# Altium PCB Rus.PcbDoc (part 1 of 2) (continued)
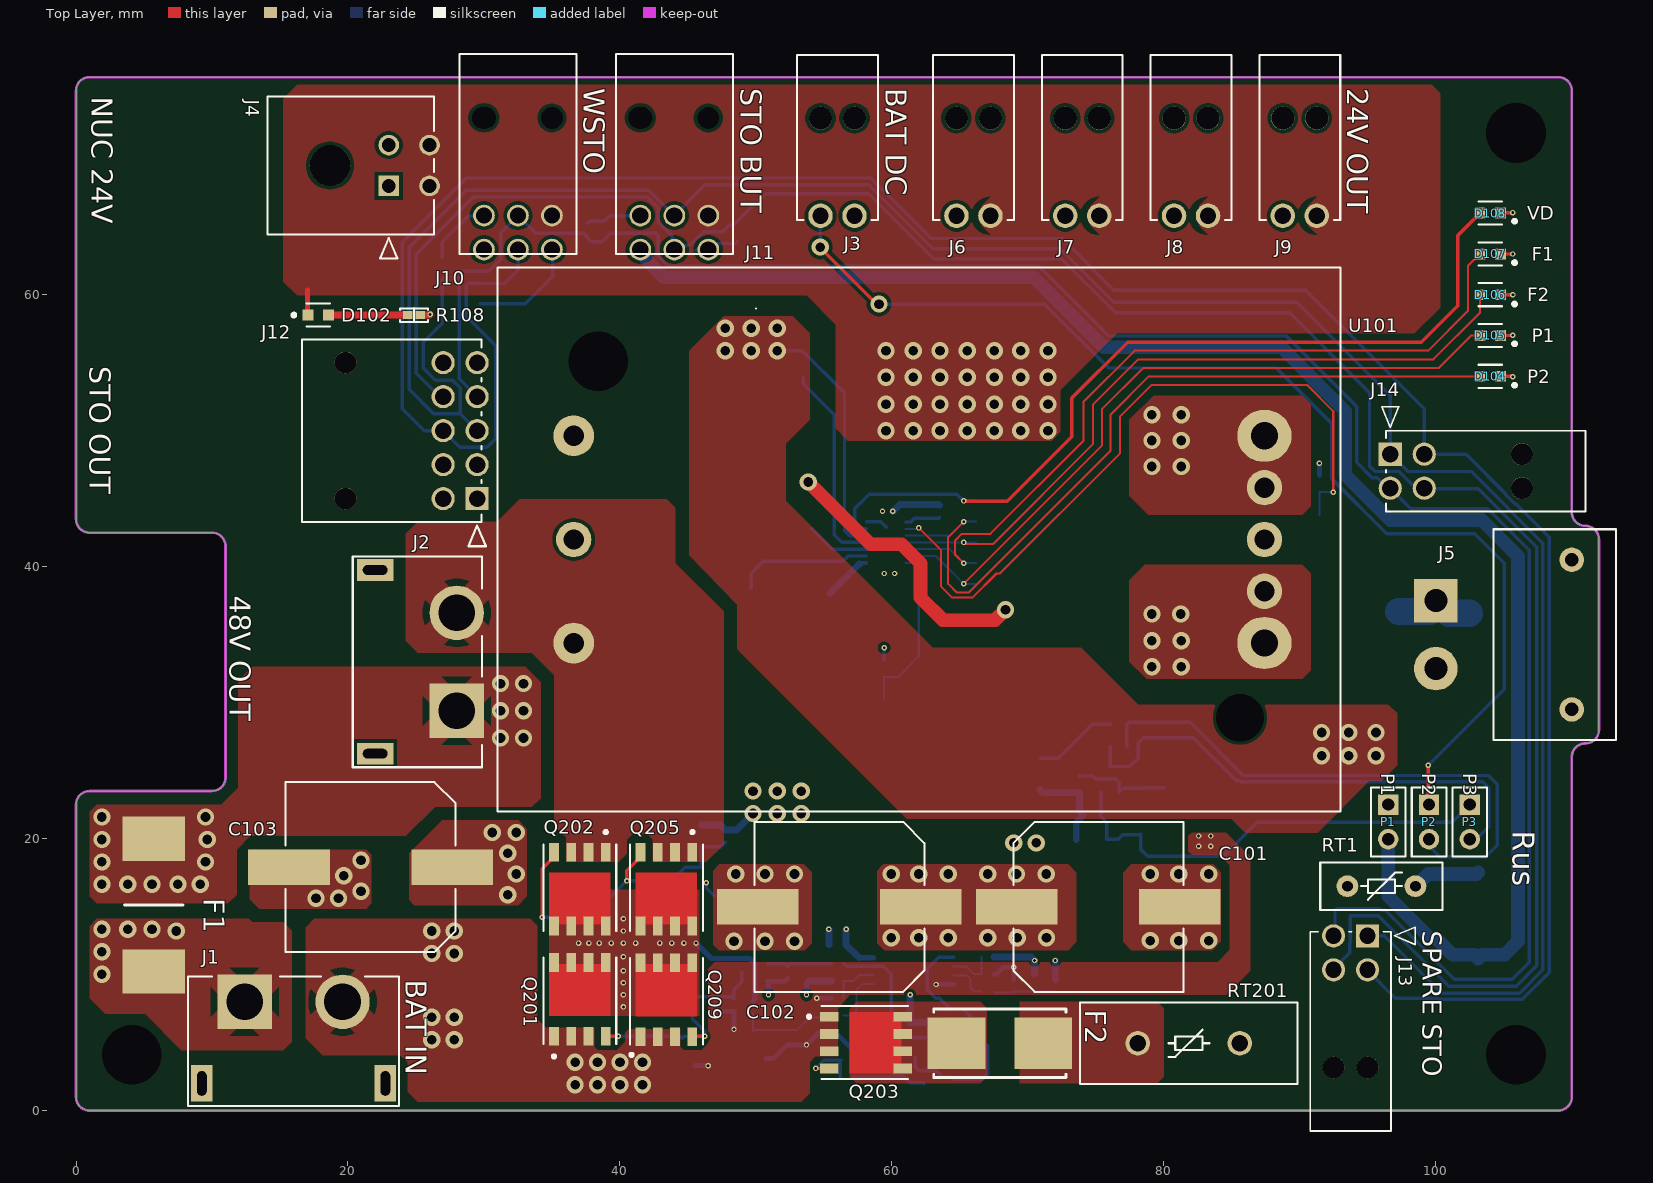
[diagram p0: Top Layer view]
## Components (designator, comment, footprint, x,y, rotation, side; value= is the part's Value field where it differs from the comment)
2 "9774040960R" 9774040960R 38.4,55.1 r90 bottom
C101 "EMVE101ARA101MKE0S" "CAP ALSMD ELEC 12.5MM H13MM" 75.184,14.986 r0 top
C102 "EMVE101ARA101MKE0S" "CAP ALSMD ELEC 12.5MM H13MM" 56.134,14.986 r180 top
C103 "EMVE101ARA101MKE0S" "CAP ALSMD ELEC 12.5MM H13MM" 21.662,17.9 r180 top locked
C201 "1nF" "CAP 0805_2012" 45.974,20.193 r90 bottom
C202 "470nF" "CAP 0603_1608 RF" 70.485,9.398 r90 bottom
C203 "10uF" "CAP 1206_3216" 79.756,20.32 r180 bottom
C204 "100nF" "CAP 0603_1608 RF" 56.007,12.192 r0 bottom
C206 "220nF" "CAP 0603_1608 RF" 65.913,2.921 r90 bottom
C207 "220nF" "CAP 0603_1608 RF" 53.848,10.16 r270 bottom
C208 "100nF" "CAP 0603_1608 RF" 60.071,3.175 r270 bottom
C209 "100nF" "CAP 0603_1608 RF" 46.863,7.747 r90 bottom
C210 "220nF" "CAP 0603_1608 RF" 62.865,5.969 r90 bottom
D101 "SMBT70A-13-F" SMBT70A-13-F 32.893,45.212 r270 bottom
D102 "LTST-C190GKT" FP-LTST-C190GKT-MFG 17.82,58.5 r0 top locked
D104 "LTST-C190GKT" FP-LTST-C190GKT-MFG 104,54 r180 top locked
D105 "LTST-C190GKT" FP-LTST-C190GKT-MFG 104,57 r180 top locked
D106 "LTST-C190GKT" FP-LTST-C190GKT-MFG 104,60 r180 top locked
D107 "LTST-C190GKT" FP-LTST-C190GKT-MFG 104,63 r180 top locked
D108 "LTST-C190GKT" FP-LTST-C190GKT-MFG 104,66 r180 top locked
D201 "BZX8450-C12R" "NEXPERIA SOT-23-3" 45.974,16.891 r90 bottom
D202 "BZX8450-C12R" "NEXPERIA SOT-23-3" 79.883,27.559 r90 bottom
D203 "BZX8450-C12R" "NEXPERIA SOT-23-3" 49.784,4.826 r90 bottom
D204 "BZX8450-C12R" "NEXPERIA SOT-23-3" 56.261,4.699 r270 bottom
D205 "BZX8450-C12R" "NEXPERIA SOT-23-3" 44.577,4.318 r90 bottom
D206 "BZX8450-C33R" "NEXPERIA SOT-23-3" 81.026,23.749 r180 bottom
D207 "1N4148WS-7-F" SOD323 74.676,19.939 r0 bottom
F1 "0456040.DRSDE" FUSC12245X450N 5.715,15.113 r90 top
F2 "0154007.DR" FP-0154-MFG 67.945,4.953 r0 top
F101A "0154007.DR" FP-0154-MFG 53.594,30.099 r90 bottom
F102A "0154007.DR" FP-0154-MFG 93.472,34.29 r270 bottom
J1 "XT60PW-M" XT60PW_M 16,8 r180 top locked
J2 "XT60PW-F" XT60PW_F 28,33 r90 top locked
J3 "105313-1202" "MOLEX 1053131102" 56,72 r0 top locked
J4 "430450401" "MOLEX 430450401" 23,68 r270 top
J5 "XT30PW-M" XT30PW_M 100,35 r270 top locked
J6 "105313-1202" "MOLEX 1053131102" 66,72 r0 top
J7 "105313-1202" "MOLEX 1053131102" 74,72 r0 top
J8 "105313-1202" "MOLEX 1053131102" 82,72 r0 top
J9 "105313-1202" "MOLEX 1053131102" 90,72 r0 top
J10 "105314-1206" "MOLEX 1053141206" 32.5,73 r180 top
J11 "105314-1206" "MOLEX 1053141206" 44,73 r180 top
J12 "1053141310" "MOLEX 1053141110" 29.5,45 r270 top locked
J13 "105314-1204" "MOLEX 1053141204" 93.71,6.5 r0 top locked
J14 "105314-1204" "MOLEX 1053141204" 103,47 r90 top locked
MP1 "M3 x 4mm" 9774040360 4.1,4.1 r180 bottom locked
MP3 "M3 x 4mm" 9774040360 105.9,71.9 r180 bottom locked
MP4 "M3 x 4mm" 9774040360 105.9,4.1 r180 bottom locked
P1 "Header 2" HDR1X2 96.5,22.5 r270 top locked
P2 "Header 2" HDR1X2 99.5,22.5 r270 top
P3 "Header 2" HDR1X2 102.5,22.5 r270 top
Q101 "‎SI4090BDY-T1-GE3‎" SOIC127P600X175-8N 51.562,41.148 r90 bottom
Q102 "‎SI4090BDY-T1-GE3‎" SOIC127P600X175-8N 51.562,51.181 r270 bottom
Q201 "CSD19532Q5B" "TI SON 5x6" 37.054,8.074 r90 top locked
Q202 "CSD19532Q5B" "TI SON 5x6" 37.054,16.383 r270 top locked
Q203 "CSD19532Q5B" "TI SON 5x6" 58,5 r0 top locked
Q204 "ZXTN25100DG" "DIODES SOT-223" 67.691,23.622 r180 bottom
Q205 "CSD19532Q5B" "TI SON 5x6" 43.419,16.383 r270 top locked
Q206 "BSS84W-7-F" "DIODES SOT-323-3" 62.357,2.921 r270 bottom
Q207 "BSS84W-7-F" "DIODES SOT-323-3" 49.911,10.16 r180 bottom
Q208 "BSS84W-7-F" "DIODES SOT-323-3" 65.278,5.588 r0 bottom
Q209 "CSD19532Q5B" "TI SON 5x6" 43.419,8.053 r90 top locked
Q210 "BSS84W-7-F" "DIODES SOT-323-3" 76.073,24.384 r90 bottom
R1 "RC0603JR-070RL" RESC1608X55X25ML10T15 29.718,60.071 r90 bottom
R2 "RC0603JR-070RL" RESC1608X55X25ML10T15 48.641,64.643 r90 bottom
R3 "RC0603JR-070RL" RESC1608X55X25ML10T15 26.924,61.976 r90 bottom
R4 "RC0603JR-070RL" RESC1608X55X25ML10T15 37.973,64.643 r90 bottom
R5 "4R7" "RES 2512_6432" 103.124,14.343 r270 bottom
R102 "33k" "RES 0603_1608 RF" 66.802,43.307 r0 bottom
R104 "33k" "RES 0603_1608 RF" 66.802,38.735 r0 bottom
R105 "33k" "RES 0603_1608 RF" 66.802,41.783 r0 bottom
R106 "33k" "RES 0603_1608 RF" 66.802,40.259 r0 bottom
R107 "33k" "RES 0603_1608 RF" 66.802,44.831 r0 bottom
R108 "10k" "RES 0402_1005 RF" 24.855,58.5 r0 top locked
R109 "ERA6AEB3403V" RESC2013X60X40NL20T25 59.436,29.464 r270 bottom
R110 "ERA6AEB3403V" RESC2013X60X40NL20T25 91.44,43.053 r270 bottom
R111 "ERJ-3EKF1272V" RESC1608X55X30LL15T15 59.436,32.512 r270 bottom
R112 "ERJ-3EKF1272V" RESC1608X55X30LL15T15 91.44,46.101 r270 bottom
R113 "100k" "RES 0402_1005 RF" 63.5,44.069 r270 bottom
R201 "10k" "RES 0402_1005 RF" 47.752,20.193 r90 bottom
R202 "100R" "RES 0402_1005 RF" 41.91,16.891 r180 bottom
R204 "10k" "RES 0603_1608 RF" 73.787,24.003 r90 bottom
R205 "10M" "RES 0402_1005 RF" 72.009,9.144 r90 bottom
R206 "100k" "RES 0402_1005 RF" 67.056,11.303 r0 bottom
R207 "100k" "RES 0402_1005 RF" 49.784,7.62 r90 bottom
R208 "100k" "RES 0402_1005 RF" 56.007,9.525 r180 bottom
R209 "100R" "RES 0402_1005 RF" 67.056,8.763 r0 bottom
R210 "100R" "RES 0402_1005 RF" 56.007,6.985 r180 bottom
R211 "220k" "RES 0402_1005 RF" 68.961,9.144 r270 bottom
R212 "10k" "RES 0402_1005 RF" 67.056,10.033 r180 bottom
R213 "22k" "RES 0603_1608 RF" 52.197,5.334 r90 bottom
R214 "10k" "RES 0402_1005 RF" 56.007,8.255 r0 bottom
R216 "100k" "RES 0402_1005 RF" 64.389,2.921 r270 bottom
R217 "100k" "RES 0402_1005 RF" 52.324,10.16 r90 bottom
R218 "47k" "RES 0603_1608 RF" 76.708,26.797 r180 bottom
R219 "1k" "RES 0402_1005 RF" 64.77,7.493 r180 bottom
R220 "100R" "RES 0402_1005 RF" 56.007,10.795 r0 bottom
R221 "10R" "RES 0402_1005 RF" 56.642,2.413 r0 bottom
R222 "10R" "RES 0402_1005 RF" 45.339,7.747 r90 bottom
R223 "10k" "RES 0402_1005 RF" 58.547,2.921 r90 bottom
R224 "10k" "RES 0402_1005 RF" 48.387,7.747 r270 bottom
R225 "1k" "RES 0603_1608 RF" 76.708,28.448 r0 bottom
R226 "100k" "RES 0402_1005 RF" 61.341,5.969 r270 bottom
R227 "10k" "RES 0402_1005 RF" 59.944,5.969 r90 bottom
R228 "47k" "RES 0603_1608 RF" 74.676,21.717 r180 bottom
RT1 "B59975C0120A070" "RES THERM TH 9.0x12.5 DISC LEADED" 96,16.5 r180 top locked
RT201 "B57238S0250M000" "RES THERM TH 16.0 DISC LEADED" 78.089,4.953 r0 top locked value=25R
RV101 "SMDJ28A" "DO214AB SMC" 80.137,41.91 r90 bottom
U101 "PRQ200W-Q48-S24-D" "DIP BRICK QUARTER" 62,42 r180 top locked
U102 "LTC4355IDE#PBF" DFN-14_DE_LIT 59.563,41.783 r0 bottom
U201 "LM393PT" "ST TSSOP-8" 61.595,10.287 r180 bottom

## Footprints (in the part's own frame and the unit in brackets; to place one, negate y for a bottom-side part, rotate by r counter-clockwise, add the part's x,y. Pads: shape width x height; smd on the part's side, far side on the other; paste and mask are expansions set on the pad)
9774040360 [mm] "M3 Thread Internal, Length 4mm"
  round 7.4 / inner round 0 / far side round 0 hole 4.4 unplated: 1(0,0)
  body extent -3,-3 3,2.99, height 4
9774040960R [mm]
  round 7.4 / inner round 7.4 / far side round 0 hole 4.4 unplated: 1(0,0)
  body extent -3,-3 2.99,3, height 4.01
"CAP 0603_1608 RF" [mm] "Chip Capacitor, 2-Leads, Body 1.60x0.80mm, IPC High Density"
  rect 0.8x0.9 smd: 1(-0.625,0) 2(0.625,0)
  silkscreen extent -1.2,-0.63 1.2,0.63, body extent -0.8,-0.41 0.8,0.41, height 0.82
"CAP 0805_2012" [mm] "Chip Capacitor, 2-Leads, Body 2.00x1.20mm, IPC Medium Density"
  rect 1.3x1.4 smd: 1(-0.8,0) 2(0.8,0)
  silkscreen extent -1.7,-0.9 1.7,0.9, body extent -1,-0.64 1,0.64, height 1.26
"CAP 1206_3216" [mm] "Chip Capacitor, 2-Leads, Body 3.25x1.60mm, IPC Medium Density"
  rect 1.3x1.8 smd: 1(-1.45,0) 2(1.45,0)
  silkscreen extent -2.37,-1.12 2.37,1.12, body extent -1.6,-0.81 1.6,0.81, height 1.62
"CAP ALSMD ELEC 12.5MM H13MM" [mm] "Aluminum SMD Electrolytic Capacitor, 12.50mm Land Size, 12.50mm Diameter, 13.00mm Height, 14.90mm Maximum Leads Span"
  rect 6x2.6 smd: 1(-6,0) 2(6,0)
  silkscreen extent -6.25,-6.25 6.25,6.25, body extent -7.45,-6.25 7.45,6.25, height 13
DFN-14_DE_LIT [mm]
  rect 0.805x0.249 smd paste+0 mask+0: 1(-1.452,1.5) 2(-1.452,1) 3(-1.452,0.5) 4(-1.452,0) 5(-1.452,-0.5) 6(-1.452,-1) 7(-1.452,-1.5) 8(1.452,-1.5) 9(1.452,-1) 10(1.452,-0.5) 11(1.452,0) 12(1.452,0.5) 13(1.452,1) 14(1.452,1.5)
  rect 1.8x3.4 smd paste+0 mask+0: 15(0,0)
  silkscreen extent -2.28,-2.18 1.68,2.18, body extent -1.55,-2.05 1.55,2.05, height 0.8
"DIODES SOT-223" [mm] "SOT223, 4-Leads, Body 6.50x7.00mm (avg), Pitch 2.30mm, IPC Medium Density"
  rect 1.6x1.2 smd: 1(-3.2,2.3) 2(-3.2,0) 3(-3.2,-2.3)
  rect 1.6x3.3 smd: 4(3.2,0)
  silkscreen extent -3.27,-3.35 1.85,3.72, body extent -3.52,-3.25 3.5,3.25, height 1.8
"DIODES SOT-323-3" [mm] "SOT323, 3-Leads, Body 2.00x2.10mm, Pitch 0.65mm, IPC Medium Density"
  rect 0.9x0.7 smd: 1(-0.95,0.65) 2(0.95,0) 3(-0.95,-0.65)
  silkscreen extent -1.27,-1.1 0.67,1.52, body extent -1.06,-1 1.06,1, height 1
"DIP BRICK QUARTER" [mm] "5.Quarter 1/4 brick power module DOSA"
  round 0 hole 3.5 unplated: 0(-23.6,13.1) 0(23.6,-13.1)
  round 3 hole 1.5: 1(25.4,-7.62) 3(25.4,7.62)
  round 2.6 hole 1.5: 2(25.4,0) 5(-25.4,3.81) 6(-25.4,0) 7(-25.4,-3.81)
  oval 4x3.8 hole 2: 4(-25.4,7.62) 8(-25.4,-7.62)
  silkscreen extent -31,-20 31,20, body extent -30.9,-20.1 30.9,20.1, height 13.1
"DO214AB SMC" [mm] "Molded Diode, 2-Leads, Body 6.85x5.90mm, IPC Medium Density"
  rect 2.45x3.15 smd: 1(-3.1,0) 2(3.1,0)
  silkscreen extent -4.9,-3.3 4.9,3.3, body extent -3.97,-2.95 3.97,2.95, height 2.6
FP-0154-MFG [mil]
  rect 167x150 smd paste+0 mask+0: 1(-125.5,0) 2(125.5,0)
  silkscreen extent -192,-99 192,99, body extent -213,-103 213,103, height 10
FP-LTST-C190GKT-MFG [mm]
  rect 0.8x0.8 smd paste+0 mask+0: 1(-0.75,0) 2(0.75,0)
  silkscreen extent -1.92,-0.85 0.85,0.85, body extent -1.25,-0.55 1.25,0.55, height 0.25
FUSC12245X450N [mm]
  rect 3.25x4.61 smd: 1(-4.88,0) 2(4.88,0)
  silkscreen extent 0,-2.15 0,2.15, body extent -6.1,-2.25 6.1,2.25, height 4.5
HDR1X2 [mm] "Connector; Header; 2 Position"
  rect 1.5x1.5 hole 0.9: 1(0,0)
  round 1.5 hole 0.9: 2(2.54,0)
  silkscreen extent -1.27,-1.27 3.81,1.27
"MOLEX 430450401" [mm]
  rect 1.52x1.52 hole 1.02 mask+0.076: 1(0,0)
  round 1.52 hole 1.02 mask+0.076: 2(-3,0) 3(0,3) 4(-3,3)
  round 3 hole 3 unplated mask+0.076: M1(-1.5,-4.32)
  silkscreen extent -6.57,-8.92 5.35,3.32, body extent -6.57,-8.95 3.57,3.28, height 8.83
"MOLEX 1053131102" [mm] "Connector Header Through Hole, Right Angle 2 position, 2mm Pitch, 5.94x8.64 mm Body"
  round 1.8 hole 1.2: 1(-1.25,-6.2) 2(1.25,-6.2)
  round 1.7 hole 1.7: SH(-1.25,0.98) SH(1.25,0.98)
  silkscreen extent -2.97,-6.52 2.97,5.64, body extent -2.97,-6.52 2.97,5.64, height 6.64
"MOLEX 1053141110" [mm]
  rect 1.7x1.7 hole 1.2 mask+0.076: 1(0,0)
  round 1.7 hole 1.2 mask+0.076: 2(-2.5,0) 3(-5,0) 4(-7.5,0) 5(-10,0) 6(0,-2.5) 7(-2.5,-2.5) 8(-5,-2.5) 9(-7.5,-2.5) 10(-10,-2.5)
  round 1.6 hole 1.6 unplated mask+0.076: 11(0,-9.68) 12(-10,-9.68)
  silkscreen extent -11.72,-12.88 3.5,0.64, body extent -11.72,-14.34 1.72,0.32, height 9.35
"MOLEX 1053141204" [mm] "Connector Header Through Hole, Right Angle 4 position, 2mm Pitch, 5.94x8.64 mm Body"
  rect 1.7x1.7 hole 1.2 mask+0.076: 1(1.27,6.35)
  round 1.7 hole 1.2 mask+0.076: 2(-1.23,6.35) 3(1.27,3.85) 4(-1.23,3.85)
  round 1.6 hole 1.6 unplated mask+0.076: 5(1.27,-3.33) 6(-1.23,-3.33)
  silkscreen extent -2.95,-8 4.77,6.98, body extent -2.97,-7.99 2.97,6.67, height 9.15
"MOLEX 1053141206" [mm]
  round 1.6 hole 1.2: 1(2.5,9.68) 2(0,9.68) 3(-2.5,9.68) 4(2.5,7.18) 5(0,7.18) 6(-2.5,7.18)
  round 1 hole 1.6 unplated: 14(-2.5,0)
  round 1 hole 1.6 slot 1.75 at 0 deg unplated: 15(2.5,0)
  silkscreen extent -4.3,-4.7 4.3,10, body extent -4.22,-4.69 4.22,9.97, height 9.15
"NEXPERIA SOT-23-3" [mm] "SOT23, 3-Leads, Body 2.90x2.40mm, Pitch 0.95mm, IPC Medium Density"
  rect 0.7x0.6 smd: 1(-1,0.95) 2(-1,-0.95) 3(1,0)
  silkscreen extent -0.7,-1.45 0.7,1.45, body extent -1.16,-1.45 1.16,1.45, height 1.5
"RES 0402_1005 RF" [mm] "Chip Resistor, 2-Leads, Body 1.0x0.5mm, IPC High Density"
  rect 0.7x0.6 smd: 1(-0.45,0) 2(0.45,0)
  silkscreen extent -1.02,-0.51 1.02,0.51, body extent -0.5,-0.25 0.5,0.25, height 0.35
"RES 0603_1608 RF" [mm] "Chip Resistor, 2-Leads, Body 1.60x0.80mm, IPC High Density"
  rect 0.75x0.85 smd: 1(-0.6,0) 2(0.6,0)
  silkscreen extent -1.2,-0.6 1.2,0.6, body extent -0.8,-0.4 0.8,0.4, height 0.45
"RES 2512_6432" [mm] "Chip Resistor, 2-Leads, Body 6.30x3.15mm, IPC Medium Density"
  rect 1.6x3.65 smd: 1(-3.175,0) 2(3.175,0)
  silkscreen extent -4.3,-2.05 4.3,2.05, body extent -3.15,-1.58 3.15,1.57, height 0.7
"RES THERM TH 9.0x12.5 DISC LEADED" [mm] "5.5mm Body Diameter 9mm Lead Spacing Thermistor Leaded Disc"
  round 1.6 hole 0.8: 1(2.5,0) 2(-2.5,0)
  silkscreen extent -4.5,-1.75 4.5,1.75, body extent -4.5,-1.75 4.5,1.75, height 12.5
"RES THERM TH 16.0 DISC LEADED" [mm] "5.5mm Body Diameter 16mm Lead Spacing 7.5mm Thermistor Leaded Disc"
  round 1.8 hole 1.2: 1(0,0) 2(7.5,0)
  silkscreen extent -4.25,-3 11.75,3, body extent -4,-3.24 11.5,3.25, height 19.81
RESC1608X55X25ML10T15 [mm] "Chip Resistor, 2-Leads, Body 1.60x0.80mm, IPC Low Density"
  rect 0.8x1 smd: 1(-0.75,0) 2(0.75,0)
  body extent -0.85,-0.45 0.85,0.45, height 0.55
RESC1608X55X30LL15T15 [mm] "Chip Resistor, 2-Leads, Body 1.60x0.80mm, IPC High Density"
  rect 0.7x0.85 smd: 1(-0.625,0) 2(0.625,0)
  body extent -0.87,-0.48 0.87,0.48, height 0.55
RESC2013X60X40NL20T25 [mm] "Chip Resistor, 2-Leads, Body 2.00x1.25mm, IPC Medium Density"
  rect 1.2x1.45 smd: 1(-0.85,0) 2(0.85,0)
  body extent -1.1,-0.72 1.1,0.72, height 0.6
SMBT70A-13-F [mm]
  rect 2.5x2.3 smd: 1(0,0) 2(4.3,0)
  silkscreen extent -0.51,-1.65 4.83,1.65, body extent -0.54,-1.75 4.82,1.75, height 2.17
SOD323 [mm] "SOD, 2-Leads, Body 1.25x2.50mm, IPC Medium Density"
  rect 0.625x0.83 smd: 1(-1.112,0) 2(1.112,0)
  silkscreen extent -1.78,-0.8 1.78,0.8, body extent -1.36,-0.63 1.36,0.62, height 1.05
SOIC127P600X175-8N [mm] "SOIC, 8-Leads, Body 4.90x3.90mm, Pitch 1.27mm, IPC Medium Density"
  oval 1.45x0.6 smd: 1(-2.725,1.905) 2(-2.725,0.635) 3(-2.725,-0.635) 4(-2.725,-1.905) 5(2.725,-1.905) 6(2.725,-0.635) 7(2.725,0.635) 8(2.725,1.905)
  silkscreen extent -2.85,-2.5 1.6,2.88, body extent -3,-2.5 3,2.5, height 1.75
"ST TSSOP-8" [mm] "TSSOP, 8-Leads, Body 3.00x4.40mm, Pitch 0.65mm, IPC Medium Density"
  oval 1.4x0.45 smd: 1(-2.95,0.975) 2(-2.95,0.325) 3(-2.95,-0.325) 4(-2.95,-0.975) 5(2.95,-0.975) 6(2.95,-0.325) 7(2.95,0.325) 8(2.95,0.975)
  silkscreen extent -3.55,-1.55 1.85,1.78, body extent -3.21,-1.5 3.21,1.5, height 1.2
"TI SON 5x6" [mm] "TI SON 5x6mm 8 pin leadless package"
  rect 1.372x0.71 smd paste-0.673: 1(-2.614,1.905) 2(-2.614,0.635) 3(-2.614,-0.635) 4(-2.614,-1.905) 5(2.81,-1.905) 6(2.81,-0.635) 7(2.81,0.635) 8(2.81,1.905)
  Top Layer region: -1.134,-2.26 2.716,-2.26 2.716,2.26 -1.134,2.26
  silkscreen extent -4.17,-2.68 3.18,2.68, body extent -3,-2.5 3,2.5, height 1
XT30PW_M [mm] "Amass XT30 RA TH male header"
  rect 3.2x3.2 hole 1.7 mask+0.064: 1(-2.5,0)
  round 3.2 hole 1.7 mask+0.064: 2(2.5,0)
  round 1.8 hole 1 mask+0.064: 21(-5.5,10) 21(5.5,10)
  silkscreen extent -7.75,4.25 7.75,13.25, body extent -6.65,-0.85 6.65,13.1, height 5
XT60PW_F [mm] "Amass XT60 RA TH female header"
  rect 4x4 / inner round 4 / far side rect 4x4 hole 2.7 mask+0.064: 1(-3.6,0)
  round 4 hole 2.7 mask+0.064: 2(3.6,0)
  rect 1.6x2.7 hole 1.8 slot 0.7 at 0 deg mask+0.064: 21(-6.75,6) 21(6.75,6)
  silkscreen extent -7.75,-1.85 7.75,7.65, body extent -7.75,-2.1 7.75,16.3, height 8.11
XT60PW_M [mm] "Amass XT60 RA TH male header"
  rect 4x4 / inner round 4 / far side rect 4x4 hole 2.7 mask+0.064: 1(3.6,0)
  round 4 hole 2.7 mask+0.064: 2(-3.6,0)
  rect 1.6x2.7 hole 1.8 slot 0.7 at 0 deg mask+0.064: 21(-6.75,6) 21(6.75,6)
  silkscreen extent -7.75,-1.85 7.75,7.65, body extent -7.75,-1.85 7.75,16.35, height 8.4

## Part data
2: "Spacer Material: Steel Mounting: SMT Series: WA-SMST For ø: 3.3 mm", Manufacturer="Wurth Electronics", Supplier Part Number 1=732-7092-1-ND, Category="Spacers, Standoffs", ComponentLink1Description=http://www.farnell.com/datasheets/1960394.pdf?src-supplier=Farnell, ComponentLink1URL=http://www.farnell.com/datasheets/1960394.pdf?src-supplier=Farnell, ComponentLink2Description=http://www.mouser.com/ds/2/445/9774040960R-611108.pdf?src-supplier=Mouser, ComponentLink2URL=http://www.mouser.com/ds/2/445/9774040960R-611108.pdf?src-supplier=Mouser, ComponentLink3Description=https://media.digikey.com/pdf/Data%20Sheets/Wurth%20Electronics%20PDFs/WA-SMSx_Performance_Flyer.pdf?src-supplier=Digi-Key, ComponentLink3URL=https://media.digikey.com/pdf/Data%20Sheets/Wurth%20Electronics%20PDFs/WA-SMSx_Performance_Flyer.pdf?src-supplier=Digi-Key, ComponentLink4Description=http://www.farnell.com/datasheets/1960394.pdf?src-supplier=Element14, ComponentLink4URL=http://www.farnell.com/datasheets/1960394.pdf?src-supplier=Element14, ComponentLink5Description=http://www.farnell.com/datasheets/1960394.pdf?src-supplier=Newark, ComponentLink5URL=http://www.farnell.com/datasheets/1960394.pdf?src-supplier=Newark, Inside Diameter=0.13inch, Length=0.213inch, Manufacturer Part Number=9774040960R, Material=Steel, Outside Diameter=0.236inch, Plating=Tin, Pricing 1="1=1.79000, 10=1.71600, 50=1.50700, 100=1.40200 (USD)", REACH SVHC=Unknown, RoHS=Yes, Stock 1=190, Supplier 1=Digi-Key, Threaded/Unthreaded=Unthreaded
C101 C102 C103: library part C_POL, "Generic Polarised Capacitor", Capacitance=100uF, Manufacturer="United Chemi-Con", Tolerance=20%, Voltage Rating=100V, Diameter=12.5mm, Height=13.5mm, Manufacturer Part Number=EMVE101ARA101MKE0S, Size Code="D12.5 x H13.5"
C201: library part C, "Generic Capacitor", Temperature Coefficient=X7R, Tolerance=20%, Voltage Rating=100V, Capacitance=1nF, Size Code=0805
C202 C204 C206 C207 C208 C209 C210: library part C, "Generic Capacitor", Temperature Coefficient=X7R, Tolerance=10%, Voltage Rating=50V, Size Code=0603
  C202: Capacitance=470nF
  C204 C208 C209: Capacitance=100nF
  C206 C207 C210: Capacitance=220nF
C203: library part C, "Generic Capacitor", Temperature Coefficient=X7R, Tolerance=10%, Voltage Rating=25V, Capacitance=10uF, Size Code=1206
D101: "SMBJ Series 70 V 600 W Surface Mount Uni-Directional TVS Diode - DO-214AA", Breakdown Voltage=77.8V, Capacitance=290pF, Case/Package=SMB, Clamping Voltage=100V, Forward Voltage=3.5V, Leakage Current=5uA, Manufacturer=Diodes, Max Breakdown Voltage=89.5V, Max Operating Temperature=150°C, Max Output Current=5.3A, Max Power Dissipation=600W, Max Surge Current=100A, Min Operating Temperature=-55°C, Package Body Material=Plastic, Package Quantity=3000, Package Shape=Rectangular, Peak Reflow Temperature (Cel)=260°C, Power Line Protection=No, Resistor Type=Zener, Reverse Standoff Voltage=70V, Supplier Part Number 1=SMBT70A-13-FDICT-ND, Test Current=1mA, Time @ Peak Reflow Temperature-Max (s)=30s, Clamping Voltage-Max=100V, ComponentLink1Description=https://datasheet.ciiva.com/341/ds30213-341009.pdf?src-supplier=Digi-Key, ComponentLink1URL=https://datasheet.ciiva.com/341/ds30213-341009.pdf?src-supplier=Digi-Key, ComponentLink2Description=https://datasheet.ciiva.com/4511/ds30213-70999-4511094.pdf?src-supplier=Mouser, ComponentLink2URL=https://datasheet.ciiva.com/4511/ds30213-70999-4511094.pdf?src-supplier=Mouser, ComponentLink3Description=https://datasheet.ciiva.com/34302/1542506-34302445.pdf?src-supplier=Jameco, ComponentLink3URL=https://datasheet.ciiva.com/34302/1542506-34302445.pdf?src-supplier=Jameco, ComponentLink4Description=https://datasheet.ciiva.com/16487/ds30213-16487738.pdf?src-supplier=Future+Electronics, ComponentLink4URL=https://datasheet.ciiva.com/16487/ds30213-16487738.pdf?src-supplier=Future+Electronics, ComponentLink5Description=https://datasheet.ciiva.com/17412/ds30213-17412667.pdf?src-supplier=Avnet+Europe, ComponentLink5URL=https://datasheet.ciiva.com/17412/ds30213-17412667.pdf?src-supplier=Avnet+Europe, ComponentLink6Description=https://datasheet.ciiva.com/3021/ds30213-3021468.pdf?src-supplier=Avnet, ComponentLink6URL=https://datasheet.ciiva.com/3021/ds30213-3021468.pdf?src-supplier=Avnet, Contact Plating=Tin,Matte, Diode Element Material=SILICON, Diode Type=ZENER, Direction=Unidirectional, Element Configuration=Single, ESD Protection=No, Height=2.62mm, JESD-30 Code=R-PDSO-C2, Lead Free="Lead Free", Length=3.94mm, Manufacturer Part Number=SMBT70A-13-F, Max Reverse Leakage Current=5uA, Min Breakdown Voltage=77.8V, Moisture Sensitivity Level=1, Mount="Surface Mount", Number of Elements=1, Number of Pins=2, Number of Terminals/Pins=2, Number of Unidirectional Channels=1, Packaging="Tape and Reel", Peak Pulse Current=5.3A, Peak Pulse Power=600W, Polarity=Unidirectional, Power Dissipation=600W, Pricing 1="1 = 0.66000, 10 = 0.56300, 100 = 0.42040, 500 = 0.33032, 1000 = 0.25526 (USD)", Radiation Hardening=No, Reverse Breakdown Voltage=77.8V, RoHS=Yes, RoHS Compliant=Yes, Series="Automotive, AEC-Q101", Stock 1=0, Supplier 1=Digi-Key, Surface Mount=Yes, Technology=AVALANCHE, Terminal Finish=Tin, Terminal Form="C BEND", Terminal Position=DUAL, Termination=SMD/SMT, Width=4.57mm, Working Voltage=70V
D102 D104 D105 D106 D107 D108: library part CMP-22017-000005-2, "LED GREEN CLEAR CHIP SMD", Case Code (Imperial)=0603, Case Code (Metric)=1608, Color=Green, Forward Current=30mA, Forward Voltage=2.1V, Lens Color=Colorless, Max Operating Temperature=85°C, Min Operating Temperature=-55°C, Package Quantity=1, Power Dissipation=100mW, Reverse Voltage=5V, Test Current=10mA, Voltage=2V, Case/Package=0603, Depth=0.8mm, Dominant Wavelength=569nm, Height=0.8mm, Illumination Color=Green, Lead Free="Lead Free", Length=1.6mm, Lens Style=Clear, Lens Transparency=Clear, Luminous Intensity=6mcd, Mount="Surface Mount", Number of Elements=1, Number of LEDs=1, Number of Pins=2, Packaging="Tape and Reel", Power Rating=100mW, Radiation Hardening=No, Viewing Angle=130°, Wavelength=565nm, Width=0.8mm
D201 D202 D203 D204 D205: "Diode Zener Single 12V 5% 250mW 3-Pin SOT-23 T/R", Manufacturer=Nexperia, Supplier Part Number 1=73AJ2261, ComponentLink1Description=https://datasheet.octopart.com/BZX8450-C12R-Nexperia-datasheet-155371286.pdf?src-supplier=Farnell, ComponentLink1URL=https://datasheet.octopart.com/BZX8450-C12R-Nexperia-datasheet-155371286.pdf?src-supplier=Farnell, Manufacturer Part Number=BZX8450-C12R, Pricing 1="1=0.22000, 5=0.22000, 10=0.17900, 25=0.15100, 50=0.12200, 100=0.09400, 250=0.07800, 500=0.06200, 1000=0.04200 (USD)", Stock 1=2900, Supplier 1=Newark
D206: library part BZX8450-C20R, "Zener Diodes BZX8450-C33/SOT23/TO-236AB", Manufacturer=Nexperia, Supplier Part Number 1=3810767, Category="Zener Diodes", Manufacturer Part Number=BZX8450-C33R, Pricing 1="5=0.182, 10=0.149, 100=0.079, 500=0.0517, 1000=0.0273, 5000=0.0268 (GBP)", RoHS=Yes, Stock 1=2750, Supplier 1=Farnell
D207: library part 1N4148, "Signal Diode VR=75V IF=150mA Trr=4ns P=200mW", Average Rectified Current=150mA, Capacitance=2pF, Forward Current=300mA, Forward Voltage=1.25V, Manufacturer=Diodes, Max Forward Surge Current (Ifsm)=2A, Max Operating Temperature=150°C, Max Repetitive Reverse Voltage (Vrrm)=75V, Max Reverse Current=1uA, Min Operating Temperature=-65°C, Package Quantity=3000, Power Dissipation=200mW, Supplier Part Number 1=9228070, Category="Rectifier Diodes", Colloquial=1N4148, Contact Plating=Tin,Matte, Current Rating=150mA, Element Configuration=Single, Height=1mm, Lead Free="Lead Free", Length=1.8mm, Manufacturer Part Number=1N4148WS-7-F, Max Reverse Voltage (DC)=75V, Max Surge Current=2A, Mount="Surface Mount", Number of Pins=2, Output Current=150mA, Packaging="Tape and Reel", Peak Non-Repetitive Surge Current=2A, Polarity=Standard, Power Rating=200mW, Pricing 1="3000=0.03600, 6000=0.03200, 12000=0.02900, 30000=0.02700, 60000=0.02300 (USD)", Radiation Hardening=No, REACH SVHC="No SVHC", Recovery Time=4ns, Reverse Recovery Time=4ns, Reverse Recovery Time-Max=4ns, RoHS=Yes, RoHS Compliant=Yes, Series=-, Stock 1=18000, Supplier 1=RSComponents, Voltage=75V, Voltage Rating (DC)=75V, Weight=0.000173oz, Width=1.4mm
F1: "Electric Fuse, Fast Blow, 40A, 250VAC, 80VDC, 150A (IR), Surface Mount, NANO", Manufacturer=Littelfuse, Manufacturer_Name=LITTELFUSE, Mouser Part Number=576-0456040.DRSDE, Supplier Part Number 1=2291419P, Category=Fuses, Datasheet Link=https://www.littelfuse.com/~/media/electronics/datasheets/fuses/littelfuse_fuse_456sde_datasheet.pdf.pdf, Height=4.5mm, Manufacturer Part Number=0456040.DRSDE, Manufacturer_Part_Number=0456040.DRSDE, Mouser Price/Stock=https://www.mouser.co.uk/ProductDetail/Littelfuse/0456040.DRSDE?qs=iLbezkQI%252Bsg1J2n4oyxfKg%3D%3D, Pricing 1="50=3.055, 100=2.55, 250=2.475, 500=2.115 (GBP)", RoHS=Yes, Stock 1=1372, Supplier 1=Rs
F2 F101A F102A: library part CMP-08605-000035-1, "FUSE BRD MNT 7A 125VAC/VDC 2SMD", Fuse Current=7A, Manufacturer="Littelfuse Inc", Max Fuse Ac Voltage=125V, Package=0154, Temperature="-55°C to +125°C", Temperature Range High=+125°C, Temperature Range Low=-55°C, Automotive=No, Category=Fuse, ComponentLink2Description=Datasheet, ComponentLink2URL=https://www.littelfuse.com/~/media/electronics/datasheets/fuses/littelfuse_fuse_154_154t_154l_154tl_datasheet.pdf.pdf, Device Class L1="Circuit Protection", Device Class L2=Fuses, Device Class L3=unset, Digikey Description="FUSE BRD MNT 7A 125VAC/VDC 2SMD", Fuse Blow Speed=Fast, Height=3.81mm, Lead Free=Yes, Manufacturer Part Number=0154007.DR, Max Fuse Dc Voltage=125V, Mouser Description="Surface Mount Fuses Fuseblock w/ fuse 7A OMNI BLOK 154", Octopart=https://octopart.com/0154007.dr-littelfuse-565863, RoHS=TRUE
J1: "Amass XT60 RA TH male header", Manufacturer=Amass, Manufacturer Part Number=XT60PW-M
J2: "Amass XT60 RA TH female header", Manufacturer=Amass, Manufacturer Part Number=XT60PW-F
J3 J6 J7 J8 J9: library part "Nano-Fit RA TH 2 Way Header", "Nano-Fit Right Angle Header; Through Hole; 2.50mm; Single Row; 2 Circuit; Gold Plated", Color=Black, Manufacturer=Molex, Supplier Part Number 1=1225087, Category="Headers and Wire Housings", Colloquial="Nano-Fit RA TH", Contact Material=Brass, Contact Plating=Gold, Gender=Male, Manufacturer Part Number=105313-1202, Mount="Through Hole", Number of Rows=1, Pricing 1="10=1.38000 (GBP)", REACH SVHC=Unknown, RoHS=Yes, RoHS Compliant=Yes, Stock 1=621, Supplier 1=RSComponents, Termination="Through Hole"